# Altium PCB Power_Board_2.PcbDoc (part 1 of 6) (continued)
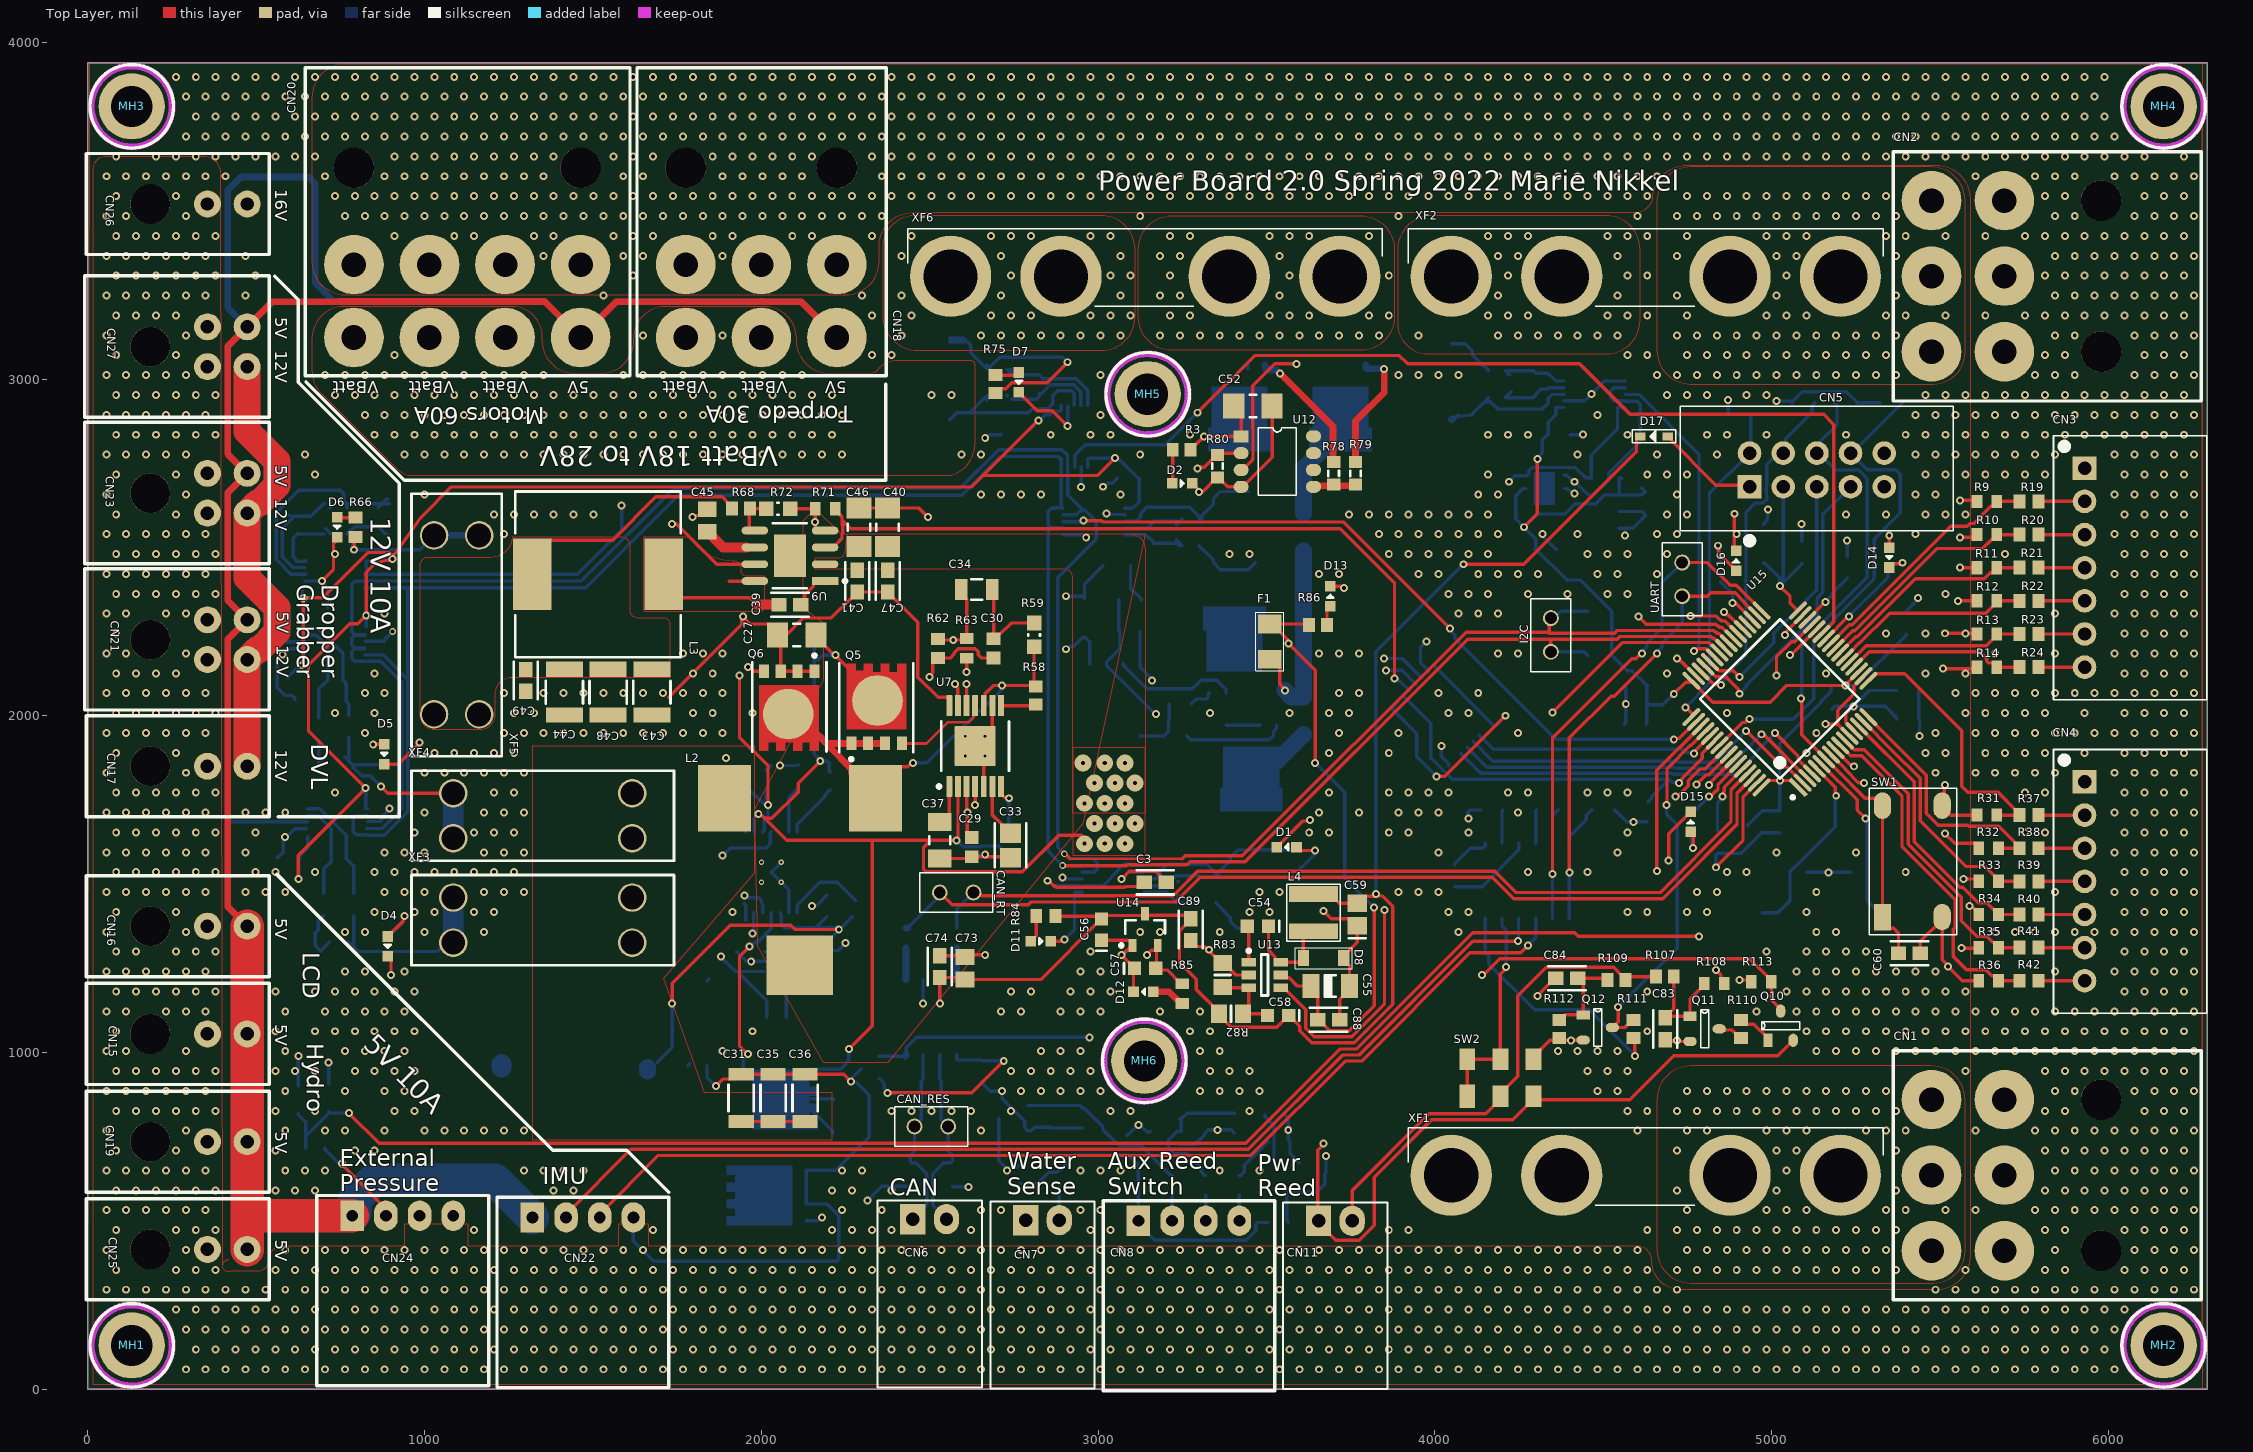
[diagram p0: Top Layer view]
## Design rules (kind name [scope] priority, off if disabled: settings) (continued)
PolygonConnect PolygonConnect_8 [All vs IsNamedPolygon('SYSTEM_PWR_L04_P118')] p29: thpad.connectstyle=Relief thpad.reliefconductorwidth=10 thpad.reliefentries=4 thpad.polygonreliefangle="90 Angle" thpad.airgapwidth=10 smdpad.connectstyle=Direct smdpad.reliefconductorwidth=10 smdpad.reliefentries=4 smdpad.polygonreliefangle="90 Angle" smdpad.airgapwidth=10 via.connectstyle=Direct via.reliefconductorwidth=10 via.reliefentries=4 via.polygonreliefangle="90 Angle" via.airgapwidth=10
PolygonConnect PolygonConnect_7 [All vs IsNamedPolygon('SYSTEM_PWR_L01_P117')] p30: thpad.connectstyle=Relief thpad.reliefconductorwidth=10 thpad.reliefentries=4 thpad.polygonreliefangle="90 Angle" thpad.airgapwidth=10 smdpad.connectstyle=Direct smdpad.reliefconductorwidth=10 smdpad.reliefentries=4 smdpad.polygonreliefangle="90 Angle" smdpad.airgapwidth=10 via.connectstyle=Direct via.reliefconductorwidth=10 via.reliefentries=4 via.polygonreliefangle="90 Angle" via.airgapwidth=10
PolygonConnect PolygonConnect_6 [All vs IsNamedPolygon('12V_EXT_RAW_L01_P115')] p31: thpad.connectstyle=Relief thpad.reliefconductorwidth=10 thpad.reliefentries=4 thpad.polygonreliefangle="90 Angle" thpad.airgapwidth=10 smdpad.connectstyle=Direct smdpad.reliefconductorwidth=10 smdpad.reliefentries=4 smdpad.polygonreliefangle="90 Angle" smdpad.airgapwidth=10 via.connectstyle=Direct via.reliefconductorwidth=10 via.reliefentries=4 via.polygonreliefangle="90 Angle" via.airgapwidth=10
PolygonConnect PolygonConnect_5 [All vs IsNamedPolygon('5V_EXT_RAW_L04_P114')] p32: thpad.connectstyle=Relief thpad.reliefconductorwidth=10 thpad.reliefentries=4 thpad.polygonreliefangle="90 Angle" thpad.airgapwidth=10 smdpad.connectstyle=Direct smdpad.reliefconductorwidth=10 smdpad.reliefentries=4 smdpad.polygonreliefangle="90 Angle" smdpad.airgapwidth=10 via.connectstyle=Direct via.reliefconductorwidth=10 via.reliefentries=4 via.polygonreliefangle="90 Angle" via.airgapwidth=10
PolygonConnect PolygonConnect_4 [All vs IsNamedPolygon('NETC11_1_L04_P116')] p33: connectstyle=Relief reliefconductorwidth=10 reliefentries=4 polygonreliefangle="90 Angle" airgapwidth=10
PolygonConnect PolygonConnect_3 [All vs IsNamedPolygon('NETC11_1_L04_P116')] p34: connectstyle=Direct reliefconductorwidth=10 reliefentries=4 polygonreliefangle="90 Angle" airgapwidth=10
PolygonConnect PolygonConnect_2 [All vs IsNamedPolygon('PGND')] p35: thpad.connectstyle=Relief thpad.reliefconductorwidth=10 thpad.reliefentries=4 thpad.polygonreliefangle="90 Angle" thpad.airgapwidth=10 smdpad.connectstyle=Direct smdpad.reliefconductorwidth=10 smdpad.reliefentries=4 smdpad.polygonreliefangle="90 Angle" smdpad.airgapwidth=10 via.connectstyle=Direct via.reliefconductorwidth=10 via.reliefentries=4 via.polygonreliefangle="90 Angle" via.airgapwidth=10
PolygonConnect PolygonConnect_1 [All vs IsNamedPolygon('GND_L02_P112')] p36: thpad.connectstyle=Relief thpad.reliefconductorwidth=10 thpad.reliefentries=4 thpad.polygonreliefangle="90 Angle" thpad.airgapwidth=10 smdpad.connectstyle=Relief smdpad.reliefconductorwidth=10 smdpad.reliefentries=4 smdpad.polygonreliefangle="90 Angle" smdpad.airgapwidth=10 via.connectstyle=Direct via.reliefconductorwidth=10 via.reliefentries=4 via.polygonreliefangle="90 Angle" via.airgapwidth=10
PolygonConnect PGND [All vs IsNamedPolygon('PGND')] p37: thpad.connectstyle=Relief thpad.reliefconductorwidth=20 thpad.reliefentries=4 thpad.polygonreliefangle="45 Angle" thpad.airgapwidth=10 smdpad.connectstyle=Relief smdpad.reliefconductorwidth=10 smdpad.reliefentries=4 smdpad.polygonreliefangle="90 Angle" smdpad.airgapwidth=10 via.connectstyle=Direct via.reliefconductorwidth=10 via.reliefentries=4 via.polygonreliefangle="90 Angle" via.airgapwidth=10
PolygonConnect Batt_30A [All vs IsNamedPolygon('PGND')] p38: connectstyle=Direct reliefconductorwidth=20 reliefentries=4 polygonreliefangle="45 Angle" airgapwidth=10
PolygonConnect PWR_LOW [All vs IsNamedPolygon('PWR_LOW')] p39: connectstyle=Direct reliefconductorwidth=10 reliefentries=4 polygonreliefangle="90 Angle" airgapwidth=10
PolygonConnect THERM_PAD [All vs IsNamedPolygon('THERM_PAD')] p40: thpad.connectstyle=Relief thpad.reliefconductorwidth=10 thpad.reliefentries=4 thpad.polygonreliefangle="90 Angle" thpad.airgapwidth=10 smdpad.connectstyle=Relief smdpad.reliefconductorwidth=10 smdpad.reliefentries=4 smdpad.polygonreliefangle="90 Angle" smdpad.airgapwidth=10 via.connectstyle=Direct via.reliefconductorwidth=10 via.reliefentries=4 via.polygonreliefangle="90 Angle" via.airgapwidth=10
PolygonConnect [All] p41: connectstyle=Relief reliefconductorwidth=10 reliefentries=4 polygonreliefangle="90 Angle" airgapwidth=10
RoutingVias [All] p1: holewidth=12 width=20 viastyle="Through Hole" minholewidth=12 minwidth=20 maxholewidth=28 maxwidth=200
SilkToSilkClearance [All] p1: silktosilkclearance=6
SolderMaskExpansion [All] p1: expansion=4 istentingtop=FALSE
UnRoutedNet [All] p1: checkbadconnections=TRUE
Width [All] p1: maxlimit=100 minlimit=8 preferedwidth=10
25 further rules are at their usual default settings.

## Classes and differential pairs
net class ADC_Bat1_[6..1]: ADC_Bat1_1 ADC_Bat1_2 ADC_Bat1_3 ADC_Bat1_4 ADC_Bat1_5 ADC_Bat1_6
net class ADC_Bat0_[6..1]: ADC_Bat0_1 ADC_Bat0_2 ADC_Bat0_3 ADC_Bat0_4 ADC_Bat0_5 ADC_Bat0_6
component class U_Sensors: C81 C82 CN7 D18 D19 R102 R104 U18 U19
component class U_Reed_Switch: C83 C84 C85 C86 C87 CN8 CN11 Q10 Q11 Q12 Q13 Q14 Q15 R107 R108 R109 R110 R111 R112 R113 R114 R115 R116 R117 R118 R119 R120 R121 R122 SW2
component class U_Power_Internal: C54 C55 C56 C57 C58 C59 C88 C89 D8 D9 D10 D11 D12 D13 F1 L4 R82 R83 R84 R85 R86 U13 U14
component class U_Micro: C60 C61 C62 C63 C64 C65 C66 C67 C68 C69 C70 C71 C72 CN5 D14 D15 D16 D17 FB1 I2C R87 R88 R89 R90 R91 R92 R93 R94 R95 R96 R97 SW1 U15 U16 X1
component class U_External_Connections: CN15 CN16 CN17 CN18 CN19 CN20 CN21 CN22 CN23 CN24 CN25 CN26 CN27 MH1 MH2 MH3 MH4 MH5 MH6
component class U_Communications: C73 C74 C75 C76 C77 C78 C79 C80 CAN_RES CAN_RT CN6 D21 D22 R98 R99 R100 R101 U17 U20 UART
component class U_Battery_Management: C1 C2 C3 C4 C5 C6 C7 CN1 CN2 CN3 CN4 D1 D2 D3 Q1 Q2 R2 R3 R4 R5 R6 R7 R8 R9 R10 R11 R12 R13 R14 R15 R16 R17 R18 R19 R20 R21 R22 R23 R24 R25 R26 R27 R30 R31 R32 R33 R34 R35 R36 R37 R38 R39 R40 R41 R42 U1 U2 U3 U4 XF1 XF2
component class U_16V_VBatt_External: C39 C40 C41 C42 C43 C44 C45 C46 C47 C48 C49 C50 C51 C52 C53 D6 D7 L3 Q7 Q8 R66 R67 R68 R69 R70 R71 R72 R74 R75 R76 R77 R78 R79 R80 U9 U10 U11 U12 XF5 XF6
component class U_5V_12V_External: C8 C9 C10 C11 C12 C13 C14 C15 C16 C17 C18 C19 C20 C21 C22 C23 C24 C25 C26 C27 C28 C29 C30 C31 C32 C33 C34 C35 C36 C37 C38 D4 D5 L1 L2 Q3 Q4 Q5 Q6 R43 R44 R45 R46 R47 R48 R49 R50 R51 R52 R54 R55 R56 R57 R58 R59 R60 R61 R62 R63 U5 U6 U7 U8 XF3 XF4
differential pair CAN: +CAN_P -CAN_N

## Components (designator, comment, footprint, x,y, rotation, side; value= is the part's Value field where it differs from the comment)
C1 "CL10B104JB8NNNC" FP-CL10-0_1-IPC_A 3090,2705 r180 bottom
C2 "CL10B104JB8NNNC" FP-CL10-0_1-IPC_A 3165,2545 r90 bottom
C3 "CL10B104JB8NNNC" FP-CL10-0_1-IPC_A 3170,1505 r0 top
C4 "CL10B104JB8NNNC" FP-CL10-0_1-IPC_A 3225,1485 r270 bottom
C5 "CL10B104JB8NNNC" FP-CL10-0_1-IPC_A 4300,2985 r270 bottom
C6 "CL10B104JB8NNNC" FP-CL10-0_1-IPC_A 4370,2835 r0 bottom
C7 "CL31B106KBHNNNE" CAPC3216X180X50ML20T30 2960,2290 r90 bottom
C8 "CL10B104JB8NNNC" FP-CL10-0_1-IPC_A 2265,950 r180 bottom
C9 "CL31B475KBHNNNE" CAPC3216X18N 2270,860 r0 bottom
C10 "CL31B475KBHNNNE" CAPC3216X18N 2266.22,757.76 r0 bottom
C11 "470nF, 50V, 10%, 0603, Ceramic, SMD" "CAPC1608N(0603\")" 2195,1435 r90 bottom value=470nF
C12 "CL10B102KB8NNNC" CAPC1608X90X30ML10T20 2015,1810 r270 bottom
C13 "GRM188R60J226MEA0D" CAPC1608X90X35ML10T15 1816.22,1217.76 r0 bottom
C14 "GRM188R60J226MEA0D" CAPC1608X90X35ML10T15 1816.22,1132.76 r0 bottom
C15 "CL10C101FB8NNNC" FP-CL10-IPC_A 2105,1265 r270 bottom
C16 "CL10B104JB8NNNC" FP-CL10-0_1-IPC_A 750,1560 r0 bottom
C17 "CL21B154KBFNNNG" FP-CL21-IPC_A 2110,1820 r90 bottom
C18 "CL10B102KB8NNNC" CAPC1608X90X30ML10T20 2045,1105 r0 bottom
C19 "GRM188R60J226MEA0D" CAPC1608X90X35ML10T15 1812.68,1047.76 r0 bottom
C20 "GRM188R60J226MEA0D" CAPC1608X90X35ML10T15 1810,960 r0 bottom
C21 "CL31B475KBHNNNE" CAPC3216X18N 1835,1815 r270 bottom
C22 "CL10B104JB8NNNC" FP-CL10-0_1-IPC_A 595,1580 r180 bottom
C23 "CL10B104JB8NNNC" FP-CL10-0_1-IPC_A 2100,2230 r0 bottom
C24 "CL31B106KBHNNNE" CAPC3216X180X50ML20T30 2100,1960 r180 bottom
C25 "CL31B106KBHNNNE" CAPC3216X180X50ML20T30 2100,2065 r180 bottom
C26 "CL31B106KBHNNNE" CAPC3216X180X50ML20T30 2110,2165 r180 bottom
C27 "CL31B106KBHNNNE" CAPC3216X180X50ML20T30 2105,2240 r180 top
C28 "470nF, 50V, 10%, 0603, Ceramic, SMD" "CAPC1608N(0603\")" 2635,2030.08 r180 bottom value=470nF
C29 "CL10B102KB8NNNC" CAPC1608X90X30ML10T20 2625,1610 r90 top
C30 "GRM1885C2A271JA01D" CAPC1608X90X35ML10T15 2690,2200 r90 top
C31 "C3216X5R1E476M160AC" FP-C3216-160-IPC_A 1940,865 r90 top
C32 "CL10B104JB8NNNC" FP-CL10-0_1-IPC_A 735,2095 r0 bottom
C33 "CL21B154KBFNNNG" FP-CL21-IPC_A 2740,1615 r270 top
C34 "CGA4C2C0G1H272J060AA" FP-CGA4J-IPC_A 2640,2375 r0 top
C35 "C3216X5R1E476M160AC" FP-C3216-160-IPC_A 2035,865 r90 top
C36 "C3216X5R1E476M160AC" FP-C3216-160-IPC_A 2130,865 r90 top
C37 "CL31B475KBHNNNE" CAPC3216X18N 2530,1630 r90 top
C38 "CL10B104JB8NNNC" FP-CL10-0_1-IPC_A 595,2080 r270 bottom
C39 "CL10B104JB8NNNC" FP-CL10-0_1-IPC_A 2085,2330 r180 top
C40 "CL31B106KBHNNNE" CAPC3216X180X50ML20T30 2375,2560 r90 top locked
C41 "CL10B104JB8NNNC" FP-CL10-0_1-IPC_A 2285,2400 r90 top
C42 "CL10B104JB8NNNC" FP-CL10-0_1-IPC_A 610,2560 r270 bottom
C43 "GRM32ER71E226ME15K" FP-GRM32-IPC_A 1675,2070 r90 top locked
C44 "GRM32ER71E226ME15K" FP-GRM32-IPC_A 1415,2070 r90 top locked
C45 "CL21B105KBFNNNG" "0803 CAP" 1840,2580 r270 top locked
C46 "CL31B106KBHNNNE" CAPC3216X180X50ML20T30 2290,2560 r90 top locked
C47 "CL10B104JB8NNNC" FP-CL10-0_1-IPC_A 2375,2400 r90 top
C48 "GRM32ER71E226ME15K" FP-GRM32-IPC_A 1545,2070 r90 top locked
C49 "CL10B104JB8NNNC" FP-CL10-0_1-IPC_A 1300,2105 r90 top locked
C50 "CL10B104JB8NNNC" FP-CL10-0_1-IPC_A 680,2320 r0 bottom
C51 "CL10B104JB8NNNC" FP-CL10-0_1-IPC_A 2825,2980 r90 bottom
C52 "CL31B106KBHNNNE" CAPC3216X180X50ML20T30 3460,2920 r0 top
C53 "CL10B104JB8NNNC" FP-CL10-0_1-IPC_A 2745,2835 r180 bottom
C54 "0.015uF 50V 0603 SMD, Ceramic" "CAPC1608N(0603\")" 3475,1375 r180 top value=0.015uF
C55 "4.7uF 50V 1206 SMD, Ceramic" "CAPC3216N(1206\")" 3690,1197.36 r180 top value=4.7uF
C56 "1uF 25V 0603 SMD, Ceramic" "CAPC1608N(0603\")" 3010,1365 r90 top value=1µF
C57 "1uF 25V 0603 SMD, Ceramic" "CAPC1608N(0603\")" 3140,1250 r0 top value=1µF
C58 "0.1uF, 50V, 10%, X7R, 1608" "CAPC1608N(0603\")" 3535,1110 r180 top
C59 "10uF 10V 0805 SMD, Ceramic" "CAPC2012N(0805\")" 3770,1410 r90 top value=10µF
C60 "CL10B104JB8NNNC" FP-CL10-0_1-IPC_A 5410,1295 r0 top
C61 "16pF Ceramic 50V 5% 0603" CAPC1608X90X35LL10T15 5260,1535 r0 bottom
C62 "16pF Ceramic 50V 5% 0603" CAPC1608X90X35LL10T15 5080,1535 r180 bottom
C63 "2.2uF, 50V, 0603 SMD, X5R, Ceramic" "CAPC1608N(0603\")" 5225,2440 r270 bottom value=2.2µF
C64 "CL10B104JB8NNNC" FP-CL10-0_1-IPC_A 5405,2075 r0 bottom
C65 "CL21B105KBFNNNG" "0803 CAP" 5405,1990 r180 bottom
C66 "CL10B104JB8NNNC" FP-CL10-0_1-IPC_A 5025,1685 r270 bottom
C67 "CL10B104JB8NNNC" FP-CL10-0_1-IPC_A 4930,1640 r270 bottom
C68 "CL10B104JB8NNNC" FP-CL10-0_1-IPC_A 5400,2275 r90 bottom
C69 "CL10B104JB8NNNC" FP-CL10-0_1-IPC_A 4595,1975 r180 bottom
C70 "CL10B104JB8NNNC" FP-CL10-0_1-IPC_A 5090,2485 r90 bottom
C71 "CL10B104JB8NNNC" FP-CL10-0_1-IPC_A 4600,2090 r180 bottom
C72 "CL31B106KBHNNNE" CAPC3216X180X50ML20T30 4975,2510 r270 bottom
C73 "CL21B105KBFNNNG" "0803 CAP" 2605,1250 r90 top
C74 "CL10B104JB8NNNC" FP-CL10-0_1-IPC_A 2530,1255 r90 top
C75 "CL10B104JB8NNNC" FP-CL10-0_1-IPC_A 2655,945 r270 bottom
C76 "CL10B104JB8NNNC" FP-CL10-0_1-IPC_A 4060,1525 r90 bottom
C77 "CL10B104JB8NNNC" FP-CL10-0_1-IPC_A 4170,1720 r180 bottom
C78 "CL10B104JB8NNNC" FP-CL10-0_1-IPC_A 4335,1720 r180 bottom
C79 "CL10B104JB8NNNC" FP-CL10-0_1-IPC_A 4500,1720 r0 bottom
C80 "CL10B104JB8NNNC" FP-CL10-0_1-IPC_A 4180,1295 r180 bottom
C81 "CL10B104JB8NNNC" FP-CL10-0_1-IPC_A 4625,2630 r270 bottom
C82 "CL10B104JB8NNNC" FP-CL10-0_1-IPC_A 4330,2495 r0 bottom
C83 "CL10B104JB8NNNC" FP-CL10-0_1-IPC_A 4685,1070 r270 top
C84 "CL10B104JB8NNNC" FP-CL10-0_1-IPC_A 4392.44,1220 r180 top
C85 "CL10B104JB8NNNC" FP-CL10-0_1-IPC_A 3537.44,735 r0 bottom
C86 "CL10B104JB8NNNC" FP-CL10-0_1-IPC_A 3315,790 r270 bottom
C87 "CL10B104JB8NNNC" FP-CL10-0_1-IPC_A 2860,810 r270 bottom
C88 "CL10B104JB8NNNC" FP-CL10-0_1-IPC_A 3685,1097.36 r0 top
C89 "CL10B104JB8NNNC" FP-CL10-0_1-IPC_A 3275,1365 r270 top
CAN_RES "1x2 Male Header" "2X1 Males Header" 2455,780 r0 top (schematic designator JP3)
CAN_RT "1x2 Male Header" "2X1 Males Header" 2530,1475 r0 top (schematic designator JP2)
CN1 "76825-0006" 76825-0006-Footprint-1 5692,860 r270 top locked
CN2 "76825-0006" 76825-0006-Footprint-1 5692,3530 r270 top locked
CN3 "S7B-XH-A(LF)(SN)" S7B-XH-A(LF)(SN)-Footprint-1 5930,2735 r270 top locked
CN4 "S7B-XH-A(LF)(SN)" S7B-XH-A(LF)(SN)-Footprint-1 5930,1803.43 r270 top locked
CN5 "ST Debug Header 10-pin THT" "10-pin shrouded header THT" 4935,2680 r0 top
CN6 "1x2 Shrouded Right Angle" "2X1 Female Header" 2450,505 r90 top locked
CN7 "1x2 Shrouded Right Angle" "2X1 Female Header" 2785,501.97 r90 top locked
CN8 "Header, Male, 1x4, RA, Pitch 0.1\" (2.54mm)" "HEADER, MALE, SHROUDED, 4x1, PITCH 0.1\" (2.54mm), RA" 3120,500 r90 top locked
CN11 "1x2 Shrouded Right Angle" "2X1 Female Header" 3655,500 r90 top locked
CN15 "Header, Female, 1x2, Right Angle, Pitch 0.118\" (3.00mm), THT" "New footprint 1" 355,1055 r90 top locked
CN16 "Header, Female, 1x2, Right Angle, Pitch 0.118\" (3.00mm), THT" "New footprint 1" 355,1375 r90 top locked
CN17 "Header, Female, 1x2, Right Angle, Pitch 0.118\" (3.00mm), THT" "New footprint 1" 355,1850 r90 top locked
CN18 "76825-0006" 76825-0006-Footprint-1 1775.59,3340 r0 top locked
CN19 "Header, Female, 1x2, Right Angle, Pitch 0.118\" (3.00mm), THT" "New footprint 1" 355,735 r90 top locked
CN20 "76825-0008" 76825-0008-Footprint-1 790,3340 r0 top locked
CN21 "Header, Female, 2x2, RIght Angle, Pitch: 0.118\"  (3.00mm), THT" "2x2 Pitch 118mil connector" 355,2167.01 r90 top locked
CN22 "Header, Male, 1x4, RA, Pitch 0.1\" (2.54mm)" "HEADER, MALE, SHROUDED, 4x1, PITCH 0.1\" (2.54mm), RA" 1320,510 r90 top locked
CN23 "Header, Female, 2x2, RIght Angle, Pitch: 0.118\"  (3.00mm), THT" "2x2 Pitch 118mil connector" 355,2602.01 r90 top locked
CN24 "Header, Male, 1x4, RA, Pitch 0.1\" (2.54mm)" "HEADER, MALE, SHROUDED, 4x1, PITCH 0.1\" (2.54mm), RA" 785,515 r90 top locked
CN25 "Header, Female, 1x2, Right Angle, Pitch 0.118\" (3.00mm), THT" "New footprint 1" 355,415 r90 top locked
CN26 "Header, Female, 1x2, Right Angle, Pitch 0.118\" (3.00mm), THT" "New footprint 1" 355,3520 r90 top locked
CN27 "Header, Female, 2x2, RIght Angle, Pitch: 0.118\"  (3.00mm), THT" "2x2 Pitch 118mil connector" 355,3037.01 r90 top locked
D1 "LT Q39G-Q1OO-25-1" FP-LB_Q39E-MFG 3560,1610 r0 top
D2 "LT Q39G-Q1OO-25-1" FP-LB_Q39E-MFG 3250,2690 r180 top
D3 "LED, 0805 (2012), Orange, Clear" LED0805 3055,2445 r180 bottom
D4 "LT Q39G-Q1OO-25-1" FP-LB_Q39E-MFG 890,1315 r90 top
D5 "LT Q39G-Q1OO-25-1" FP-LB_Q39E-MFG 880,1885.47 r90 top
D6 "LT Q39G-Q1OO-25-1" FP-LB_Q39E-MFG 740,2560 r90 top
D7 "LT Q39G-Q1OO-25-1" FP-LB_Q39E-MFG 2765,2990 r90 top
D8 "RB060M-60TR" SOD-123 3670,1280 r180 top
D9 "DSS14UTR" SOD-123F 3610,2000 r90 bottom
D10 "DSS14UTR" SOD-123F 3610,2545 r270 bottom
D11 "LT Q39G-Q1OO-25-1" FP-LB_Q39E-MFG 2830.24,1330.24 r180 top
D12 "LT Q39G-Q1OO-25-1" FP-LB_Q39E-MFG 3135,1180 r0 top
D13 "LT Q39G-Q1OO-25-1" FP-LB_Q39E-MFG 3690,2355 r270 top
D14 "LT Q39G-Q1OO-25-1" FP-LB_Q39E-MFG 5350,2470 r90 top
D15 "LBQ39E-N1OO-35-1" FP-LB_Q39E-MFG 4760,1685 r270 top
D16 "LSQ976-NR-1" FP-LB_Q39E-MFG 4895,2460 r270 top
D17 "CUS08F30,H3F" SC-76 4651.34,2830 r180 top
D18 "CUS08F30,H3F" SC-76 715,865 r90 bottom
D19 "CUS08F30,H3F" SC-76 625,860 r270 bottom
D21 "PESD36VS2UT,215" SOT95P245X110-3N 2395,640 r180 bottom
D22 "PESD36VS2UT,215" SOT95P245X110-3N 2615,640 r0 bottom
F1 "SMD Fuse, 250mA, 63V, 1206" "1206 SMD" 3510,2220 r270 top
FB1 "BLM18AG601SN1D" MURA-BLM18-F-H1-CHIP-2_V 5180,2050 r270 bottom
I2C "1x2 Male Header" "2X1 Males Header" 4345,2190 r90 top (schematic designator JP1)
L1 "SRP1270-2R2M" FP-SRP1270-MFG 1445,955 r180 bottom
L2 "PG0936.682NL" PG0936.682NL-Footprint-1 2338.82,1755 r180 top locked
L3 "7447709150" WE-PD-XXL 1515,2420 r180 top locked
L4 "NR4018T6R8M" "NR4018T6R8M Inductor" 3640,1415 r90 top value=6.8µH
MH1 "Mount_Hole_3mm" Mount-Hole_3mm 130,130 r0 top
MH2 "Mount_Hole_3mm" Mount-Hole_3mm 6165,130 r0 top
MH3 "Mount_Hole_3mm" Mount-Hole_3mm 130,3810 r0 top
MH4 "Mount_Hole_3mm" Mount-Hole_3mm 6165,3810 r0 top
MH5 "Mount_Hole_3mm" Mount-Hole_3mm 3147.5,2955 r0 top
MH6 "Mount_Hole_3mm" Mount-Hole_3mm 3137.5,975 r0 top
Q1 "MOSFET N-Channel, 40V, 100A, 272W" LFPAK-PowerSO8 3380,1971.73 r0 bottom locked
Q2 "MOSFET N-Channel, 40V, 100A, 272W" LFPAK-PowerSO8 3480,2068.27 r180 bottom locked
Q3 "IPC50N04S5L5R5ATMA1" FP-DQJ0008A-MFG 2040,860 r0 bottom
Q4 "IPC50N04S5L5R5ATMA1" FP-DQJ0008A-MFG 2025,575 r180 bottom
Q5 "IPC50N04S5L5R5ATMA1" FP-DQJ0008A-MFG 2342.24,2026.22 r90 top
Q6 "IPC50N04S5L5R5ATMA1" FP-DQJ0008A-MFG 2082.76,2023.78 r270 top
Q7 "MOSFET N-Channel, 40V, 100A, 272W" LFPAK-PowerSO8 3345,3041.73 r0 bottom locked
Q8 "MOSFET N-Channel, 40V, 100A, 272W" LFPAK-PowerSO8 3645,3041.73 r0 bottom locked
Q10 "BC856A,215" SOT-23 4990,1040 r90 top
Q11 "BC846B,215" SOT-23 4762.32,1107.4 r0 top
Q12 "BC846B,215" SOT-23 4445,1111.54 r0 top
Q13 "BC846B,215" SOT-23 3522.6,667.68 r270 bottom
Q14 "BC846B,215" SOT-23 3237.68,802.4 r180 bottom
Q15 "BC846B,215" SOT-23 2787.68,842.4 r180 bottom
R2 "CRCW06036K34FKEA" RESC1609X50X30ML10T20 3600,1575 r90 bottom
R3 "CRCW06036K34FKEA" RESC1609X50X30ML10T20 3248.43,2790 r180 top
R4 "ERJ3EKF10R0V" FP-ERJ3EK-IPC_A 3275,2505 r180 bottom
R5 "ERJ3EKF10R0V" FP-ERJ3EK-IPC_A 3275,2585 r180 bottom
R6 "HCS2512FTL300" "RESC6332N(2512\")" 3455,1485 r90 bottom locked
R7 "HCS2512FTL300" "RESC6332N(2512\")" 3405,2550 r90 bottom locked
R8 "HCS2512FTL300" "RESC6332N(2512\")" 4050,2988.86 r90 bottom locked
R9 "RC0603FR-0710KL" RESC1608X55X25ML10T15 5640,2636.57 r180 top
R10 "RC0603FR-0710KL" RESC1608X55X25ML10T15 5640,2538.15 r0 top
R11 "RC0603FR-0710KL" RESC1608X55X25ML10T15 5640,2439.72 r180 top
R12 "RC0603FR-0710KL" RESC1608X55X25ML10T15 5640,2341.3 r180 top
R13 "RC0603FR-0710KL" RESC1608X55X25ML10T15 5640,2242.87 r180 top
R14 "RC0603FR-0710KL" RESC1608X55X25ML10T15 5640,2144.45 r180 top
R15 "ERJ3EKF10R0V" FP-ERJ3EK-IPC_A 3325,1445 r180 bottom locked
R16 "ERJ3EKF10R0V" FP-ERJ3EK-IPC_A 3325,1525 r180 bottom locked
R17 "ERJ3EKF10R0V" FP-ERJ3EK-IPC_A 4185,2945 r0 bottom locked
R18 "ERJ3EKF10R0V" FP-ERJ3EK-IPC_A 4185,3025 r0 bottom locked
R19 "ERJ-3EKF5231V" RESC1608X55X30ML15T15 5765,2636.57 r180 top
R20 "ERJ-3EKF2102V" RESC1608X55X30ML15T15 5765,2538.15 r180 top
R21 "ERJ3EKF3652V" RESC1608X55X30ML15T15 5765,2439.72 r180 top
R22 "ERJ-3EKF5232V" RESC1608X55X30ML15T15 5765,2341.3 r0 top
R23 "ERJ-3EKF6652V" RESC1608X55X30ML15T15 5765,2242.87 r180 top
R24 "ERJ-3EKF8252V" RESC1608X55X30ML15T15 5765,2144.45 r180 top
R25 "20.5 Ohm, 1%, 1/10W , 0603, SMD" "RESC1608N(0603\")" 3230,1940 r0 bottom locked value=20.5
R26 "20.5 Ohm, 1%, 1/10W , 0603, SMD" "RESC1608N(0603\")" 3245,2035 r0 bottom value=20.5
R27 "715R, 1%, 1/10W, 0603, SMD" "RESC1608N(0603\")" 3095,2345 r0 bottom value=715R
R30 "RC0603FR-0710KL" RESC1608X55X25ML10T15 3095,2250 r180 bottom
R31 "RC0603FR-0710KL" RESC1608X55X25ML10T15 5640,1705 r0 top
R32 "RC0603FR-0710KL" RESC1608X55X25ML10T15 5645,1606.58 r0 top
R33 "RC0603FR-0710KL" RESC1608X55X25ML10T15 5645,1508.15 r180 top
R34 "RC0603FR-0710KL" RESC1608X55X25ML10T15 5645,1409.72 r180 top
R35 "RC0603FR-0710KL" RESC1608X55X25ML10T15 5645,1311.3 r180 top
R36 "RC0603FR-0710KL" RESC1608X55X25ML10T15 5645,1212.87 r180 top
R37 "ERJ-3EKF5231V" RESC1608X55X30ML15T15 5765,1705 r180 top
R38 "ERJ-3EKF2102V" RESC1608X55X30ML15T15 5765,1606.58 r180 top
R39 "ERJ3EKF3652V" RESC1608X55X30ML15T15 5765,1508.15 r180 top
R40 "ERJ-3EKF5232V" RESC1608X55X30ML15T15 5765,1409.72 r0 top
R41 "ERJ-3EKF6652V" RESC1608X55X30ML15T15 5765,1311.3 r180 top
R42 "ERJ-3EKF8252V" RESC1608X55X30ML15T15 5765,1212.87 r180 top
R43 "ERJ-3EKF5360V" RESC1608X55X30ML15T15 890,1315 r90 bottom
R44 "RC0603FR-0710KL" RESC1608X55X25ML10T15 1930,1810 r270 bottom
R45 "CSR1206-0R002F1" RESC2716X08N 745,1300 r0 bottom locked
R46 "CRCW060344K2FKEA" RESC1609X50X30ML10T20 2205,1805 r270 bottom
R47 "CRCW06031K30FKEA" RESC1609X50X30ML10T20 2270,1430 r270 bottom
R48 "CRCW06035M49FKEA" "RESC1608N(0603\")" 2200,1300 r270 bottom
R49 "ERJ3EKF10R0V" FP-ERJ3EK-IPC_A 790,1440 r90 bottom
R50 "ERJ3EKF10R0V" FP-ERJ3EK-IPC_A 700,1440 r90 bottom
R51 "ERJ-3EKF7322V" RESC1608X55X30ML15T15 1925,1270 r270 bottom
R52 "RC0603FR-0710KL" RESC1608X55X25ML10T15 2010,1270 r270 bottom
R54 "RC0603FR-072K26L" RESC0603(1608)_M 880,1890 r90 bottom
R55 "RC0603FR-0710KL" RESC1608X55X25ML10T15 2625,1610 r90 bottom
R56 "CSR1206-0R002F1" RESC2716X08N 735,1850 r0 bottom locked
R57 "ERJ-3EKF4123V" RESC1608X55X30ML15T15 2735,1615 r270 bottom
R58 "CRCW06031K30FKEA" RESC1609X50X30ML10T20 2815,2060 r90 top
R59 "CRCW06039M76FKEA" RESC0603(1608)_M 2810,2240 r270 top
R60 "ERJ3EKF10R0V" FP-ERJ3EK-IPC_A 775,1968.5 r90 bottom
R61 "ERJ3EKF10R0V" FP-ERJ3EK-IPC_A 685,1960 r90 bottom
R62 "ERJ-3EKF1913V" RESC1608X55X30ML15T15 2525,2200 r90 top
R63 "RC0603FR-0710KL" RESC1608X55X25ML10T15 2610,2200 r90 top
R66 "ERJ-3EKF3321V" RESC1608X55X30ML15T15 795,2560 r270 top
R67 "CSR1206-0R002F1" RESC2716X08N 890,2590 r270 bottom locked
R68 "CRCW0603-100KFKEA" RESC1609X50X30ML10T20 1940,2615 r180 top locked
R69 "ERJ3EKF10R0V" FP-ERJ3EK-IPC_A 735,2540 r180 bottom
R70 "ERJ3EKF10R0V" FP-ERJ3EK-IPC_A 735,2630 r180 bottom
R71 "RC0603FR-0710KL" RESC1608X55X25ML10T15 2190,2615 r0 top locked
R72 "RC0603FR-076K65L" RESC0603(1608)_M 2050,2615 r180 top locked
R74 "HCS2512FTL300" "RESC6332N(2512\")" 2560,3005 r90 bottom
R75 "CRCW06036K34FKEA" RESC1609X50X30ML10T20 2695,2985 r90 top
R76 "ERJ3EKF10R0V" FP-ERJ3EK-IPC_A 2705,3030 r0 bottom locked
R77 "ERJ3EKF10R0V" FP-ERJ3EK-IPC_A 2710,2940 r0 bottom
R78 "20.5 Ohm, 1%, 1/10W , 0603, SMD" "RESC1608N(0603\")" 3700,2720 r270 top value=20.5
R79 "20.5 Ohm, 1%, 1/10W , 0603, SMD" "RESC1608N(0603\")" 3765,2720 r270 top value=20.5
R80 "10kR, 1%, 1/10W, 0603 SMD" "RESC1608N(0603\")" 3355,2741.54 r270 top value=10k
R82 "3.9k, 5%, 1/8W, 0805 SMD" "RESC2012N(0805\")" 3395,1115 r0 top value=3.9k
R83 "680, 5%, 1/8W, 0805 SMD" "RESC2012N(0805\")" 3370,1230 r270 top value=680
R84 "ERJ-3EKF5360V" RESC1608X55X30ML15T15 2845,1405 r180 top
R85 "RC0603FR-07110RL" RESC1608X55X25ML10T15 3250,1175 r90 top
R86 "CRCW06036K34FKEA" RESC1609X50X30ML10T20 3653.43,2270 r180 top
R87 "10kR, 1%, 1/10W, 0603 SMD" "RESC1608N(0603\")" 4905,2895 r180 bottom value=10k
R88 "RC0603FR-07110RL" RESC1608X55X25ML10T15 5350,2465 r270 bottom
R89 "10kR, 1%, 1/10W, 0603 SMD" "RESC1608N(0603\")" 5095,2930 r180 bottom value=10k
R90 "RC0603FR-07110RL" RESC1608X55X25ML10T15 4765,1685 r90 bottom
R91 "10kR, 1%, 1/10W, 0603 SMD" "RESC1608N(0603\")" 5220,2930 r0 bottom value=10k
R92 "10kR, 1%, 1/10W, 0603 SMD" "RESC1608N(0603\")" 5355,2930 r180 bottom value=10k
R93 "CRCW0603330RFKEA" FP-CRCW0603-e3-IPC_A 4850,2430 r90 bottom
R94 "RC0603FR-0710KL" RESC1608X55X25ML10T15 4630,1715 r270 bottom
R95 "RC0603FR-072K26L" RESC0603(1608)_M 4490,2180 r0 bottom
R96 "RC0603FR-072K26L" RESC0603(1608)_M 4490,2310 r0 bottom
R97 "10kR, 1%, 1/10W, 0603 SMD" "RESC1608N(0603\")" 4840,1625 r90 bottom value=10k
R98 "10kR, 1%, 1/10W, 0603 SMD" "RESC1608N(0603\")" 2350,955 r270 bottom value=10k
R99 "RC0603FR-0733RL" RESC1608X55X25ML10T15 2430,1340 r90 bottom
R100 "RC0603FR-07120RL" RESC1608X55X25ML10T15 2505,890 r180 bottom
R101 "RC0603FR-0733RL" RESC1608X55X25ML10T15 2580,1340 r90 bottom
R102 "CRCW0603-100KFKEA" RESC1609X50X30ML10T20 2885,625 r90 bottom
R104 "ERJ3EKF1001V" RESC1608X55X30ML15T15 675,715 r0 bottom
R107 "CRCW0603-100KFKEA" RESC1609X50X30ML10T20 4683.43,1225 r180 top
R108 "RC0603FR-0710KL" RESC1608X55X25ML10T15 4830,1205 r0 top
R109 "CRCW0603-100KFKEA" RESC1609X50X30ML10T20 4540,1215 r0 top
R110 "CRCW0603-100KFKEA" RESC1609X50X30ML10T20 4910,1070 r90 top
R111 "CRCW0603-100KFKEA" RESC1609X50X30ML10T20 4590,1070 r270 top
R112 "CRCW0603-100KFKEA" RESC1609X50X30ML10T20 4370,1070 r90 top
R113 "RC0603FR-0710KL" RESC1608X55X25ML10T15 4970,1210 r180 top
R114 "RC0603FR-0710KL" RESC1608X55X25ML10T15 3420,605 r270 bottom
R115 "RC0603FR-0710KL" RESC1608X55X25ML10T15 3320,605 r270 bottom
R116 "RC0603FR-0710KL" RESC1608X55X25ML10T15 3220,605 r270 bottom
R117 "RC0603FR-0710KL" RESC1608X55X25ML10T15 3525,815 r180 bottom
R118 "RC0603FR-0710KL" RESC1608X55X25ML10T15 3405,790 r90 bottom
R119 "RC0603FR-0710KL" RESC1608X55X25ML10T15 2955,805 r270 bottom
R120 "RC0603FR-0710KL" RESC1608X55X25ML10T15 3535,495 r180 bottom
R121 "RC0603FR-0710KL" RESC1608X55X25ML10T15 3085,725 r270 bottom
R122 "RC0603FR-0710KL" RESC1608X55X25ML10T15 2770,640 r90 bottom
SW1 "PTS645SL43SMTR92LFS" 4-SPST-NO 5330,1410 r90 top
SW2 "DPDT, 12V, 200mA, SMT" CL-2B-22A 4195,925 r180 top
U1 "INA226AIDGSR" DGS0010A_M 2987.6,2577.4 r0 bottom
U2 "INA226AIDGSR" DGS0010A_M 3045,1515 r0 bottom
U3 "INA226AIDGSR" DGS0010A_M 4475,2955 r180 bottom
U4 "MIC5014YM-TR" "SOC 8" 2975,2155 r270 bottom locked
U5 "LM3150MHX/NOPB" PWP0014A_M 2030,1535 r270 bottom
U6 "INA226AIDGSR" DGS0010A_M 740,1685 r180 bottom locked
U7 "LM3150MHX/NOPB" PWP0014A_M 2635,1910 r90 top
U8 "INA226AIDGSR" DGS0010A_M 735,2220 r180 bottom locked
U9 "BD9E302EFJ-E2" FP-HTSOP-J8-IPC_A 2085,2475 r180 top locked
U10 "INA226AIDGSR" DGS0010A_M 735,2420 r180 bottom locked
U11 "INA226AIDGSR" DGS0010A_M 2930,2830 r90 bottom
U12 "MIC5014YM-TR" "SOC 8" 3425,2830 r0 top
U13 "BD9G101G-TR" SOT23-6_N 3495,1230 r0 top
U14 "3.3V 250mA Linear Reg LDO" SOT95P245X110-3N 3140,1365 r90 top
U15 "STM32F413RGT6" FP-LQFP64-5W-IPC_A 5025,2050 r135 top
U16 "CD74HC194PWR" PW0016A_M 4020,2000 r135 bottom
U17 "CAN Transceiver" 8-SOIC 2505,1105 r270 bottom
U18 "MS560702BA03-50 Pressure Sensor" "TE Pressure Sensor (MS560702BA03-50)" 4547.6,2705 r180 bottom
U19 "Si700XX" QFN-6 4384.17,2714.37 r180 bottom
U20 "ST3232CDR" STM-SO-16_M 4325,1510 r270 bottom
UART "1x2 Male Header" "2X1 Males Header" 4735,2455 r270 top (schematic designator JP4)
X1 "Oscillator 8MHz 40ESR" HC49/US 5160,1415 r180 bottom
XF1 "3555-2" 3555-2-Footprint-1 5205,635 r180 top locked
XF2 "3555-2" 3555-2-Footprint-1 5205,3305 r180 top locked
XF3 "3557-2" KSTN-3557-2 1350.75,1393.07 r180 top locked
XF4 "3557-2" KSTN-3557-2 1350.75,1703.07 r180 top locked
XF5 "3557-2" KSTN-3557-2 1095,2270 r90 top
XF6 "3555-2" 3555-2-Footprint-1 3717.96,3305 r180 top locked

## Footprints (in the part's own frame and the unit in brackets; to place one, negate y for a bottom-side part, rotate by r counter-clockwise, add the part's x,y. Pads: shape width x height; smd on the part's side, far side on the other; paste and mask are expansions set on the pad)
"2X1 Female Header" [mil]
  rect 90x75 hole 40: 1(0,0)
  oval 90x75 hole 40: 2(0,-100)
  silkscreen extent -500,-205 55,105, body extent -495,-200 40,100, height 273
"2X1 Males Header" [mm]
  round 1.2 hole 0.9: 1(0,0) 2(2.54,0)
  silkscreen extent -1.5,-1.5 4,1.5, body extent -1.27,-1.24 3.81,1.24, height 8.54
"2x2 Pitch 118mil connector" [mil]
  round 80 hole 40: 1(0,0) 2(117.99,0) 3(0,-118) 4(118,-118)
  round 118.11 hole 118.11: None(59.06,170.08)
  silkscreen extent -150,-184 270,365, body extent -141,-129 259,353, height 348
4-SPST-NO [mm]
  rect 2x1.3 smd: 1(-0.2,0)
  oval 2x1.3 smd: 2(8.2,0) 3(-0.2,-4.5) 4(8.2,-4.5)
  silkscreen extent -1.52,-5.59 9.53,1.02, body extent -0.56,-5.29 8.44,0.71, height 5
8-SOIC [mm] "SOIC, 8-Leads, Body 5x4mm, Pitch 1.27mm, IPC Low Density"
  rrect15% 1.65x0.65 smd: 1(-2.825,1.905) 2(-2.825,0.635) 3(-2.825,-0.635) 4(-2.825,-1.905) 5(2.825,-1.905) 6(2.825,-0.635) 7(2.825,0.635) 8(2.825,1.905)
  silkscreen extent -2.95,-2.5 1.6,2.9, body extent -3,-2.45 3,2.45, height 1.63
"10-pin shrouded header THT" [mil]
  rect 70x70 hole 40: 1(0,0)
  round 70 hole 40: 2(100,0) 3(200,0) 4(300,0) 5(400,0) 6(0,100) 7(100,100) 8(200,100) 9(300,100) 10(400,100)
  silkscreen extent -205,-170 605,240, body extent -198,-124 598,234, height 358
"0803 CAP" [mm] "Chip Capacitor, 2-Leads, Body 2.00x1.25mm, IPC Medium Density"
  rect 1.2x1.4 smd: 1(-0.85,0) 2(0.85,0)
  body extent -1.05,-0.67 1.05,0.67, height 1.25
"1206 SMD" [mm]
  rect 1.42x1.78 smd: 1(-1.33,0) 2(1.33,0)
  silkscreen extent -2.22,-1.07 2.21,1.07, body extent -1.6,-0.8 1.6,0.8, height 0.6
3555-2-Footprint-1 [mm]
  round 6.135 hole 4.09: 1(0,0) 2(8.33,0) 3(21.03,0) 4(29.36,0)
  silkscreen extent -3.22,-3.59 32.59,2.25, body extent -3.3,-3.56 32.64,2.29, height 9.92
76825-0006-Footprint-1 [mm]
  round 4.5 hole 1.85: 1(0,0) 2(5.7,0) 3(11.4,0) 4(0,-5.5) 5(5.7,-5.5) 6(11.4,-5.5)
  round 3.05 hole 3.05: None1(0,7.3) None2(11.4,7.3)
  silkscreen extent -3.68,-8.38 15.11,14.86, body extent -3.16,-6.03 14.6,15.93, height 14.54
76825-0008-Footprint-1 [mm]
  round 4.5 hole 1.85: 1(0,0) 2(5.7,0) 3(11.4,0) 4(17.1,0) 5(0,-5.5) 6(5.7,-5.5) 7(11.4,-5.5) 8(17.1,-5.5)
  round 3.05 hole 3.05: None1(0,7.3) None2(17.1,7.3)
  silkscreen extent -3.68,-8.38 20.83,14.86, body extent -3.18,-6.03 20.28,15.93, height 14.54
"CAPC1608N(0603\")" [mm] "Chip Capacitor, Body 1.6x0.8mm (0603\"), IPC Medium Density"
  rect 1x1 smd: 1(-0.8,0) 2(0.8,0)
  silkscreen extent -1.6,-0.4 -1.6,0.4, body extent -0.8,-0.4 0.8,0.4, height 0.9
CAPC1608X90X30ML10T20 [mm] "Chip Capacitor, 2-Leads, Body 1.70x0.90mm, IPC Low Density"
  rect 0.95x1.05 smd: 1(-0.725,0) 2(0.725,0)
  body extent -0.85,-0.45 0.85,0.45, height 0.9
CAPC1608X90X35LL10T15 [mm] "Chip Capacitor, 2-Leads, Body 1.60x0.80mm, IPC High Density"
  rect 0.75x0.85 smd: 1(-0.625,0) 2(0.625,0)
  body extent -0.85,-0.45 0.85,0.45, height 0.9
CAPC1608X90X35ML10T15 [mm] "Chip Capacitor, 2-Leads, Body 1.60x0.80mm, IPC Low Density"
  rect 0.95x1.05 smd: 1(-0.725,0) 2(0.725,0)
  body extent -0.85,-0.45 0.85,0.45, height 0.9
"CAPC2012N(0805\")" [mm] "Chip Capacitor, Body 2.0x1.3mm (0805\"), IPC Medium Density"
  rect 1.3x1.5 smd: 1(-0.85,0) 2(0.85,0)
  silkscreen extent -1.8,-0.65 -1.8,0.65, body extent -1,-0.62 1,0.63, height 1
"CAPC3216N(1206\")" [mm] "Chip Capacitor, Body 3.2x1.6mm (1206\"), IPC Medium Density"
  rect 1.3x1.8 smd: 1(-1.45,0) 2(1.45,0)
  silkscreen extent -0.4,-0.8 0.4,0.8, body extent -1.6,-0.8 1.6,0.8, height 1
CAPC3216X18N [mm] "Chip Capacitor, 2-Leads, Body 3.20x1.60mm, IPC Medium Density"
  rect 1.35x1.8 smd: 1(-1.375,0) 2(1.375,0)
  silkscreen extent -0.3,-0.8 0.3,0.8, body extent -1.7,-0.9 1.7,0.9, height 1.8
CAPC3216X180X50ML20T30 [mm] "Chip Capacitor, 2-Leads, Body 3.4x1.8mm, IPC Low Density"
  rect 1.6x1.9 smd: 1(-1.45,0) 2(1.45,0)
  silkscreen extent -0.25,-0.85 0.25,0.85, body extent -1.7,-0.9 1.7,0.9, height 1.8
CL-2B-22A [mm]
  rect 1.2x1.6 smd: 1(-2.5,-1.4) 2(0,-1.4) 3(2.5,-1.4) 4(-2.5,1.4) 5(0,1.4)
  rect 1.2x1.8 smd: 6(2.5,1.4)
  body extent -4.25,-1.75 4.25,1.75, height 5.48
DGS0010A_M [mm] "SOP, 10-Leads, Body 3.1x3.1mm, Pitch 0.5mm, IPC Low Density"
  rrect33% 1.55x0.3 smd: 1(-2.325,1) 2(-2.325,0.5) 3(-2.325,0) 4(-2.325,-0.5) 5(-2.325,-1) 6(2.325,-1) 7(2.325,-0.5) 8(2.325,0) 9(2.325,0.5) 10(2.325,1)
  silkscreen extent -2.45,-1.55 1.15,1.9, body extent -2.45,-1.5 2.45,1.5, height 0.94
FP-C3216-160-IPC_A [mm]
  rect 0.956x1.906 smd paste+0 mask+0: 1(-1.775,0) 2(1.775,0)
  silkscreen extent -1,-0.95 1,0.95, body extent -2.75,-1.45 2.75,1.45, height 0.25
FP-CGA4J-IPC_A [mm]
  rect 0.956x1.556 smd paste+0 mask+0: 1(-1.175,0) 2(1.175,0)
  silkscreen extent -0.4,-0.78 0.4,0.78, body extent -2.15,-1.28 2.15,1.28, height 0.25
FP-CL10-0_1-IPC_A [mil]
  rect 45.6x39.85 smd paste+0 mask+0: 1(-32.56,0) 2(32.56,0)
  silkscreen extent -55,-36 55,36, body extent -31,-16 31,16, height 36
FP-CL10-IPC_A [mil]
  rect 45.6x39.85 smd paste+0 mask+0: 1(-32.56,0) 2(32.56,0)
  silkscreen extent -55,-36 55,36, body extent -31,-16 31,16, height 36
FP-CL21-IPC_A [mil]
  rect 57.27x61.27 smd paste+0 mask+0: 1(-36.45,0) 2(36.45,0)
  silkscreen extent -65,-46 65,46, body extent -39,-25 39,25, height 57
FP-CRCW0603-e3-IPC_A [mil]
  rect 44.69x41.82 smd paste+0 mask+0: 1(-32.1,0) 2(32.1,0)
  silkscreen extent -30,-37 30,37, body extent -31,-17 31,17, height 20
FP-DQJ0008A-MFG [mil]
  rect 40x30 smd paste-39370.1 mask+0: 1(-108.37,75) 2(-108.37,25) 3(-108.37,-25) 4(-108.37,-75)
  round 150.42 smd paste-39370.1 mask+0: 5-6-7-8(18.78,-2.76)
  Top Layer region: -66.75,88.29 128.13,88.29 128.13,61.71 102.34,61.71 102.34,38.29 128.13,38.29 128.13,11.71 102.34,11.71 102.34,-11.71 128.13,-11.71 128.13,-38.29 102.34,-38.29 102.34,-61.71 128.13,-61.71 128.13,-88.29 -66.75,-88.29 -66.75,88.29
  silkscreen extent -160,-109 130,111, body extent -121,-105 121,105, height 39
FP-ERJ3EK-IPC_A [mil]
  rect 45.53x41.82 smd paste+0 mask+0: 1(-33.5,0) 2(33.5,0)
  silkscreen extent -56,-37 56,37, body extent -31,-16 31,16, height 22
FP-GRM32-IPC_A [mm]
  rect 1.154x2.806 smd paste+0 mask+0: 1(-1.725,0) 2(1.725,0)
  silkscreen extent -0.85,-1.4 0.85,1.4, body extent -2.8,-1.9 2.8,1.9, height 0.25
FP-HTSOP-J8-IPC_A [mm]
  rect 2.005x0.594 smd paste+0 mask+0: 1(-2.65,1.905)
  rrect100% 2.005x0.594 smd paste+0 mask+0: 2(-2.65,0.635) 3(-2.65,-0.635) 4(-2.65,-1.905) 5(2.65,-1.905) 6(2.65,-0.635) 7(2.65,0.635) 8(2.65,1.905)
  rect 2.4x3.2 smd paste-1000 mask+0: 9(0,0)
  silkscreen extent -4.28,-2.45 1.27,2.45, body extent -4.15,-2.95 4.15,2.95, height 0.25
FP-LB_Q39E-MFG [mm]
  rect 0.8x0.8 smd paste+0 mask+0: 1(-0.75,0) 2(0.75,0)
  silkscreen extent -0.13,-0.25 0.13,0.25, body extent -1.25,-0.55 1.25,0.55, height 0.25